# KiCad board Final H00 panelicad_pcb.kicad_pcb (continued)
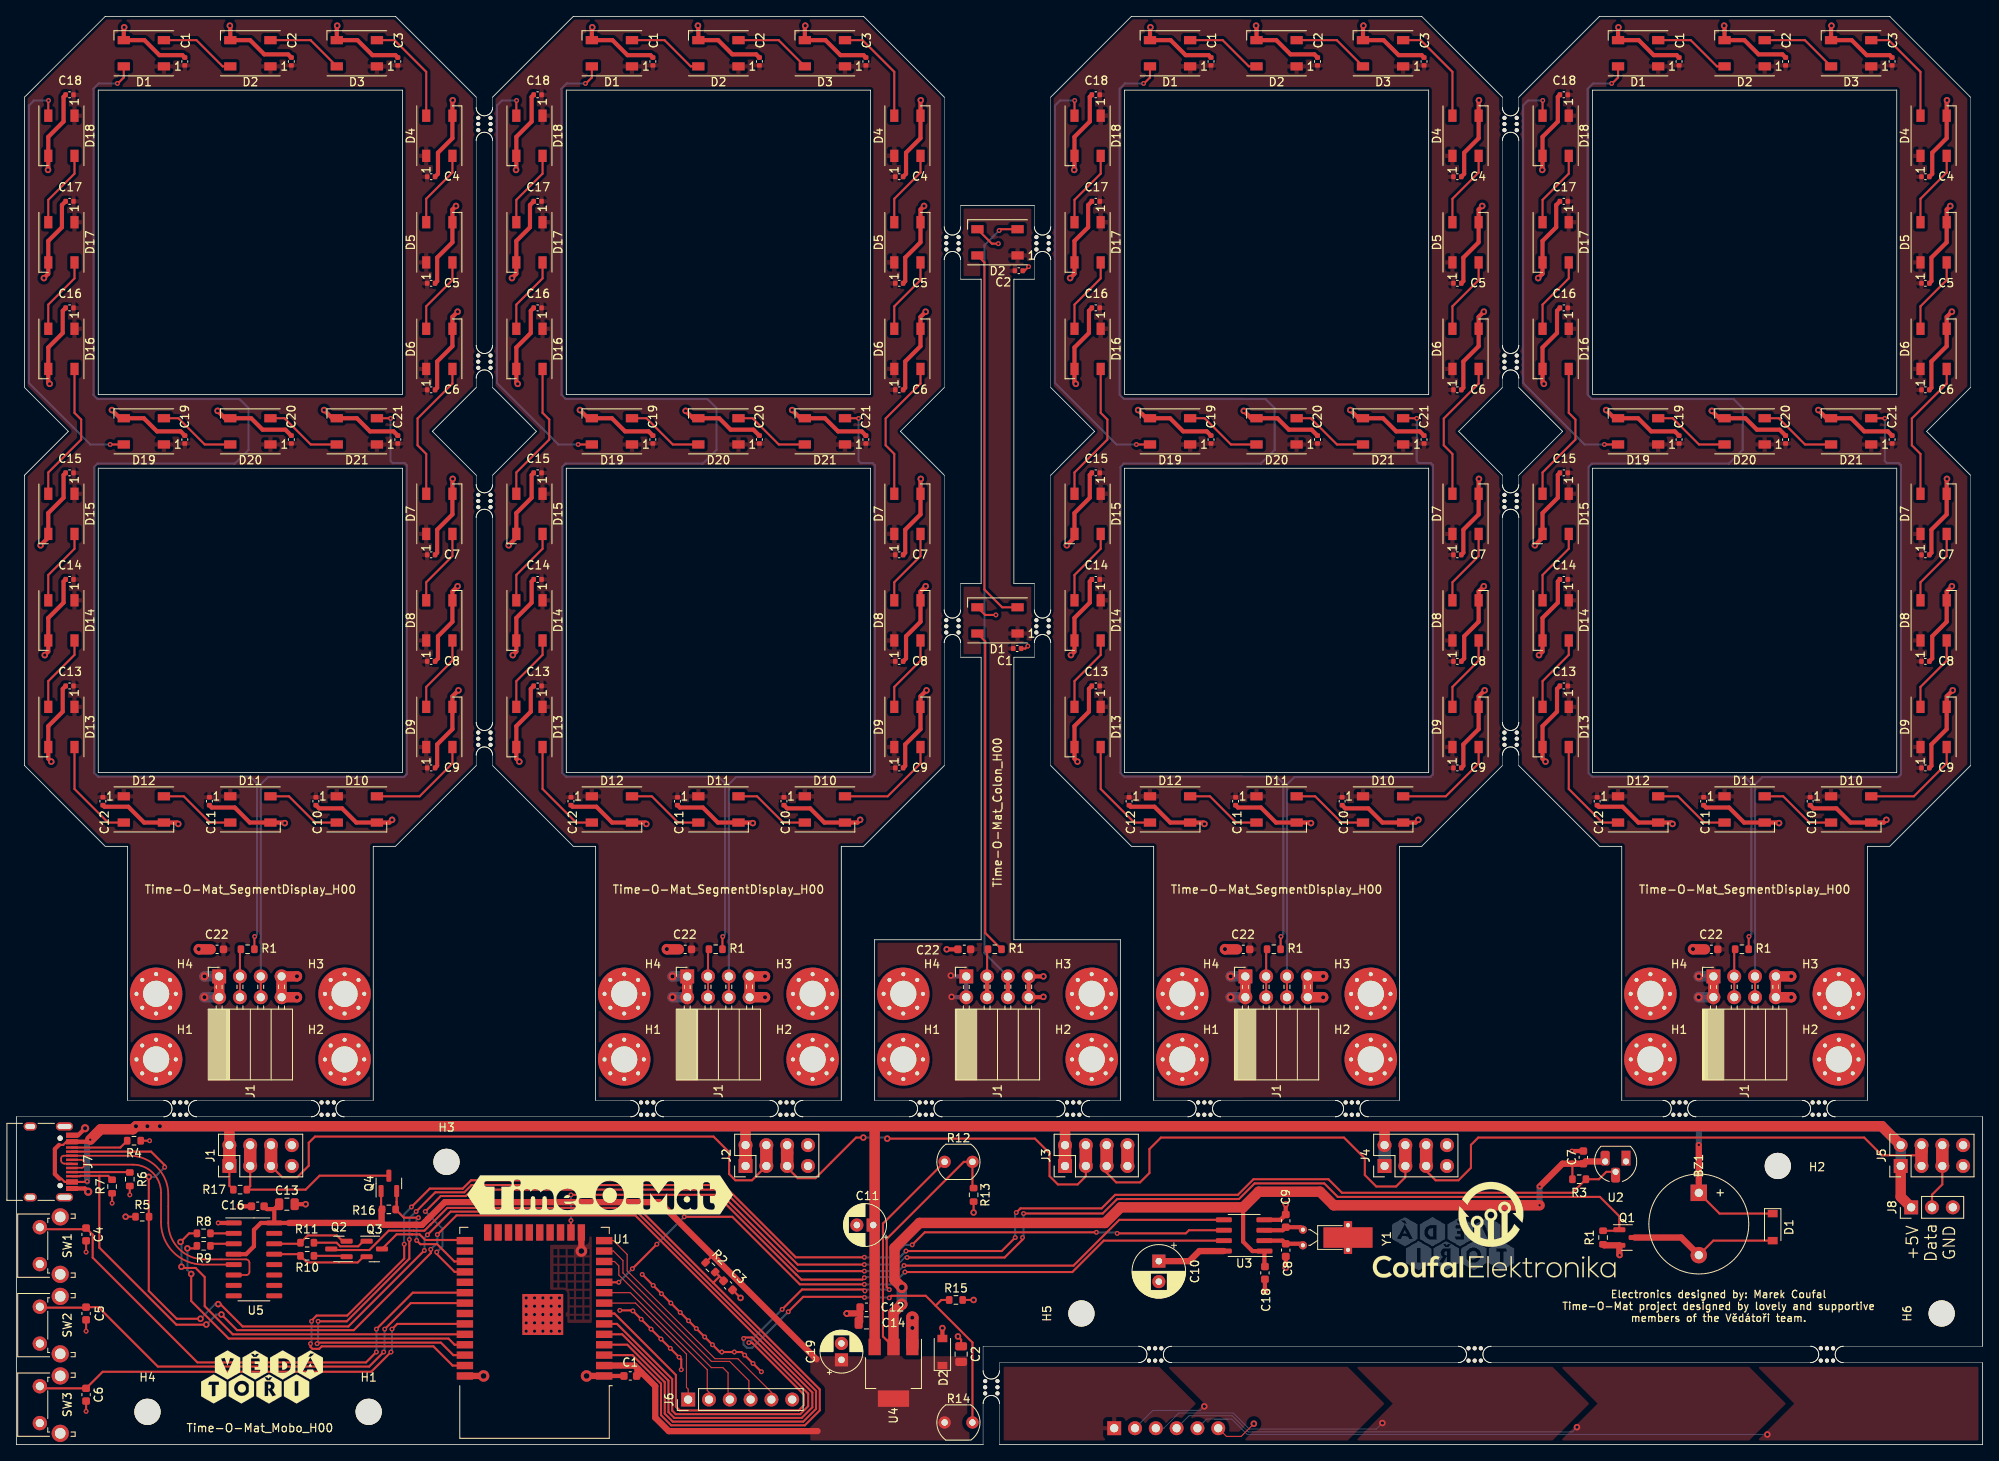
[diagram p0: board, top side]
## Placement (name value [footprint] x y rotation side) (continued)
mouse-bite-2mm-slot#6  VAL**  [mouse-bite-2mm-slot-edgecuts]  163 41 0 top
mouse-bite-2mm-slot#7  VAL**  [mouse-bite-2mm-slot-edgecuts]  57.12 86.13 90 top
mouse-bite-2mm-slot#8  VAL**  [mouse-bite-2mm-slot-edgecuts]  57.12 115.13 90 top
mouse-bite-2mm-slot#9  VAL**  [mouse-bite-2mm-slot-edgecuts]  125.25 99.84 90 top
mouse-bite-2mm-slot#10  VAL**  [mouse-bite-2mm-slot-edgecuts]  221 11 0 top
mouse-bite-2mm-slot#11  VAL**  [mouse-bite-2mm-slot-edgecuts]  38 41 0 top
mouse-bite-2mm-slot#12  VAL**  [mouse-bite-2mm-slot-edgecuts]  182.38 86.13 90 top
mouse-bite-2mm-slot#13  VAL**  [mouse-bite-2mm-slot-edgecuts]  139 11 0 top
mouse-bite-2mm-slot#14  VAL**  [mouse-bite-2mm-slot-edgecuts]  129 41 0 top
mouse-bite-2mm-slot#15  VAL**  [mouse-bite-2mm-slot-edgecuts]  178 11 0 top
mouse-bite-2mm-slot#16  VAL**  [mouse-bite-2mm-slot-edgecuts]  182.38 132.13 90 top
mouse-bite-2mm-slot#17  VAL**  [mouse-bite-2mm-slot-edgecuts]  182.38 161.13 90 top
mouse-bite-2mm-slot#18  VAL**  [mouse-bite-2mm-slot-edgecuts]  119 7 90 top
mouse-bite-2mm-slot#19  VAL**  [mouse-bite-2mm-slot-edgecuts]  57.12 161.13 90 top
mouse-bite-2mm-slot#20  VAL**  [mouse-bite-2mm-slot-edgecuts]  114.25 99.84 90 top
mouse-bite-2mm-slot#21  VAL**  [mouse-bite-2mm-slot-edgecuts]  182.38 115.13 90 top
mouse-bite-2mm-slot#22  VAL**  [mouse-bite-2mm-slot-edgecuts]  114.26 146.58 90 top
mouse-bite-2mm-slot#23  VAL**  [mouse-bite-2mm-slot-edgecuts]  57.12 132.13 90 top
mouse-bite-2mm-slot#24  VAL**  [mouse-bite-2mm-slot-edgecuts]  125.26 146.58 90 top
mouse-bite-2mm-slot#25  VAL**  [mouse-bite-2mm-slot-edgecuts]  220 41 0 top
mouse-bite-2mm-slot#26  VAL**  [mouse-bite-2mm-slot-edgecuts]  203 41 0 top
Q1  2N7002  [SOT-23]  196.6 25.27 0 top
Q2  S8050  [SOT-23]  39.37 23.87 180 top
Q3  S8050  [SOT-23]  43.69 23.87 0 top
Q4  2N7002  [SOT-23]  45.47 31.87 90 top
R1  75R  [R_0603_1608Metric]  85.36 60.44 0 top
R1#2  75R  [R_0603_1608Metric]  28.23 60.44 0 top
R1#3  10K  [R_0603_1608Metric]  193.68 25.27 270 top
R1#4  75R  [R_0603_1608Metric]  153.49 60.44 0 top
R1#5  75R  [R_0603_1608Metric]  210.62 60.44 0 top
R1#6  75R  [R_0603_1608Metric]  119.43 60.44 0 top
R2  10K  [R_0603_1608Metric]  84.71 21.64 315 top
R3  4K7  [R_0603_1608Metric]  190.75 32.38 0 top
R4  5K1  [R_0603_1608Metric]  14.35 37.08 0 top
R5  5K1  [R_0603_1608Metric]  15.37 27.81 0 top
R6  5K1  [R_0603_1608Metric]  13.84 32.38 270 top
R7  5K1  [R_0603_1608Metric]  11.68 31.49 90 top
R8  470R  [R_0603_1608Metric]  22.86 25.78 0 top
R9  470R  [R_0603_1608Metric]  22.86 24.25 0 top
R10  12K  [R_0603_1608Metric]  35.5 23.03 180 top
R11  12K  [R_0603_1608Metric]  35.5 24.63 180 top
R12  R_Photo  [R_LDR_5.1x4.3mm_P3.4mm_Vertical]  113.3 34.5 0 top
R13  10K  [R_0603_1608Metric]  116.84 30.48 270 top
R14  R_Photo  [R_LDR_5.1x4.3mm_P3.4mm_Vertical]  113.3 2.7 0 top
R15  10K  [R_0603_1608Metric]  114.68 17.65 0 top
R16  10K  [R_0603_1608Metric]  45.47 28.7 0 top
R17  10K  [R_0603_1608Metric]  27.3 31.11 0 top
SW1  SW_SPST  [SW_Tactile_SPST_Angled_PTS645Vx83-2LFS]  2.86 22.02 90 top
SW2  SW_SPST  [SW_Tactile_SPST_Angled_PTS645Vx83-2LFS]  2.86 12.32 90 top
SW3  SW_SPST  [SW_Tactile_SPST_Angled_PTS645Vx83-2LFS]  2.86 2.62 90 top
U1  ESP32-WROOM-32D  [ESP32-WROOM-32]  63.25 16.63 180 top
U2  DS18B20  [TO-92_HandSolder]  196.47 34.55 180 top
U3  DS1302ZN+  [SOIC-8_3.9x4.9mm_P1.27mm]  149.86 25.52 180 top
U4  AMS1117-3.3  [SOT-223-3_TabPin2]  107.06 8.76 270 top
U5  CH340G  [SOIC-16_3.9x9.9mm_P1.27mm]  29 22.6 0 top
Y1  Crystal_GND2  [Crystal_DS26_D2.0mm_L6.0mm_Horizontal_1EP_style2]  157.04 24.32 90 top

## Library data of the parts
C1 C1#2-C1#5 C2 C2#2-C2#4 C2#6 C3 C3#2 C3#3 C3#5 C4 C4#3-C4#5 C5#2-C5#5 C6#2-C6#5 C7 C7#2-C7#4 C8 C8#2 C8#4 C8#5 C9 C9#2-C9#4 C10 C10#2-C10#4 C11 C11#2 C11#4 C11#5 C12 C12#2 C12#3 C12#5 C13 C13#2-C13#4 C14 C14#2 C14#4 C14#5 C15 C15#2-C15#4 C16 C16#2-C16#4 C17 C17#2-C17#4 C18 C18#2-C18#4 C19#2-C19#5 C20 C20#2-C20#4 C21 C21#2-C21#4 = -: LCSC: C1525
C1#6 C4#2 C5 C6 C7#5 C12#4 C16#5 C18#5 = -: LCSC: C14663
C2#5 C13#5 C14#3 = -: LCSC: C15850
C3#4 = -: LCSC: C15849
C8#3 C9#5 = -: LCSC: C37474
C11#3 C19 = -: LCSC: C43803
C22 C22#2-C22#5 = -: LCSC: C19702
D1 D1#2-D1#5 D2 D2#2 D2#4-D2#6 D3 D3#2-D3#4 D4 D4#2-D4#4 D5 D5#2-D5#4 D6 D6#2-D6#4 D7 D7#2-D7#4 D8 D8#2-D8#4 D9 D9#2-D9#4 D10 D10#2-D10#4 D11 D11#2-D11#4 D12 D12#2-D12#4 D13 D13#2-D13#4 D14 D14#2-D14#4 D15 D15#2-D15#4 D16 D16#2-D16#4 D17 D17#2-D17#4 D18 D18#2-D18#4 D19 D19#2-D19#4 D20 D20#2-D20#4 D21 D21#2-D21#4 = -: LCSC: C139127
D1#6 D2#3 = -: LCSC: C8598
G2#4 = -: Field4: .
J7 = -: LCSC: C167321
Q1 Q4 = -: LCSC: C8545
Q2 Q3 = -: LCSC: C2146
R1 R1#2 R1#4-R1#6 = -: LCSC: C4275
R1#3 R2 R13 R15-R17 = -: LCSC: C25804
R3 = -: LCSC: C23162
R4-R7 = -: LCSC: C23186
R8 R9 = -: LCSC: C23179
R10 R11 = -: LCSC: C22790
U1 = -: LCSC: C473012
U3 = -: LCSC: C910859
U4 = -: LCSC: C6186
U5 = -: LCSC: C84681

## Footprints (pads in the part's own frame, mm; a bottom-side part is the same pattern mirrored in y, then rotated)
Buzzer_12x9.5RM7.6
  rect 2x2 hole 1: 1(0,0)
  round 2 hole 1: 2(7.6,0)
C_0402_1005Metric
  rrect 0.56x0.62 smd: 1(-0.48,0) 2(0.48,0)
C_0603_1608Metric
  rrect 0.9x0.95 smd: 1(-0.775,0) 2(0.775,0)
C_0805_2012Metric
  rrect 1x1.45 smd: 1(-0.95,0) 2(0.95,0)
CP_Radial_D5.0mm_P2.00mm
  rect 1.6x1.6 hole 0.8: 1(0,0)
  round 1.6 hole 0.8: 2(2,0)
CP_Radial_D6.3mm_P2.50mm
  rect 1.6x1.6 hole 0.8: 1(0,0)
  round 1.6 hole 0.8: 2(2.5,0)
Crystal_DS26_D2.0mm_L6.0mm_Horizontal_1EP_style2
  round 1 hole 0.5: 1(0,0) 2(1.9,0)
  rect 1x1 hole 0.5: 3(-0.55,-5.5) 3(2.45,-5.5)
  rect 2.5x6 smd: 3(0.95,-5.5)
D_SOD-123
  rect 0.9x1.2 smd: 1(-1.65,0) 2(1.65,0)
ESP32-WROOM-32
  rect 2x0.9 smd: 1(-8.5,8.255) 2(-8.5,6.985) 3(-8.5,5.715) 4(-8.5,4.445) 5(-8.5,3.175) 6(-8.5,1.905) 7(-8.5,0.635) 8(-8.5,-0.635) 9(-8.5,-1.905) 10(-8.5,-3.175) 11(-8.5,-4.445) 12(-8.5,-5.715) 13(-8.5,-6.985) 14(-8.5,-8.255) 25(8.5,-8.255) 26(8.5,-6.985) 27(8.5,-5.715) 28(8.5,-4.445) 29(8.5,-3.175) 30(8.5,-1.905) 31(8.5,-0.635) 32(8.5,0.635) 33(8.5,1.905) 34(8.5,3.175) 35(8.5,4.445) 36(8.5,5.715) 37(8.5,6.985) 38(8.5,8.255)
  rect 0.9x2 smd: 15(-5.715,-9.255) 16(-4.445,-9.255) 17(-3.175,-9.255) 18(-1.905,-9.255) 19(-0.635,-9.255) 20(0.635,-9.255) 21(1.905,-9.255) 22(3.175,-9.255) 23(4.445,-9.255) 24(5.715,-9.255)
  rect 5x5 smd: 39(-1,0.755)
LED_WS2812B_PLCC4_5.0x5.0mm_P3.2mm
  rect 1.5x1 smd: 1(-2.45,1.6) 2(-2.45,-1.6) 3(2.45,-1.6) 4(2.45,1.6)
MountingHole_3.2mm_M3
  round 3.2 hole 3.2 unplated: (0,0)
MountingHole_3.2mm_M3_Pad_Via
  round 0.8 hole 0.5: 1(-2.4,0) 1(-1.697,1.697) 1(-1.697,-1.697) 1(0,2.4) 1(0,-2.4) 1(1.697,1.697) 1(1.697,-1.697) 1(2.4,0)
  round 6.4 hole 3.2: 1(0,0)
mouse-bite-2mm-slot-edgecuts
  round 0.5 hole 0.5 unplated: (-0.75,0.75) (-0.75,-0.75) (0,0.75) (0,-0.75) (0.75,0.75) (0.75,-0.75)
PinHeader_1x03_P2.54mm_Vertical
  rect 1.7x1.7 hole 1: 1(0,0)
  oval 1.7x1.7 hole 1: 2(0,-2.54) 3(0,-5.08)
PinHeader_1x06_P2.54mm_Vertical
  rect 1.7x1.7 hole 1: 1(0,0)
  oval 1.7x1.7 hole 1: 2(0,-2.54) 3(0,-5.08) 4(0,-7.62) 5(0,-10.16) 6(0,-12.7)
PinHeader_2x04_P2.54mm_Vertical
  rect 1.7x1.7 hole 1: 1(0,0)
  oval 1.7x1.7 hole 1: 2(2.54,0) 3(0,-2.54) 4(2.54,-2.54) 5(0,-5.08) 6(2.54,-5.08) 7(0,-7.62) 8(2.54,-7.62)
PinSocket_2x04_P2.54mm_Horizontal
  rect 1.7x1.7 hole 1: 1(0,0)
  oval 1.7x1.7 hole 1: 2(-2.54,0) 3(0,-2.54) 4(-2.54,-2.54) 5(0,-5.08) 6(-2.54,-5.08) 7(0,-7.62) 8(-2.54,-7.62)
R_0603_1608Metric
  rrect 0.8x0.95 smd: 1(-0.825,0) 2(0.825,0)
R_LDR_5.1x4.3mm_P3.4mm_Vertical
  round 1.5 hole 0.8: 1(0,0) 2(3.4,0)
SOIC-8_3.9x4.9mm_P1.27mm
  rrect 1.95x0.6 smd: 1(-2.475,1.905) 2(-2.475,0.635) 3(-2.475,-0.635) 4(-2.475,-1.905) 5(2.475,-1.905) 6(2.475,-0.635) 7(2.475,0.635) 8(2.475,1.905)
SOIC-16_3.9x9.9mm_P1.27mm
  rrect 1.95x0.6 smd: 1(-2.475,4.445) 2(-2.475,3.175) 3(-2.475,1.905) 4(-2.475,0.635) 5(-2.475,-0.635) 6(-2.475,-1.905) 7(-2.475,-3.175) 8(-2.475,-4.445) 9(2.475,-4.445) 10(2.475,-3.175) 11(2.475,-1.905) 12(2.475,-0.635) 13(2.475,0.635) 14(2.475,1.905) 15(2.475,3.175) 16(2.475,4.445)
SOT-23
  rrect 1.475x0.6 smd: 1(-0.938,0.95) 2(-0.938,-0.95) 3(0.938,0)
SOT-223-3_TabPin2
  rect 2x1.5 smd: 1(-3.15,2.3) 2(-3.15,0) 3(-3.15,-2.3)
  rect 2x3.8 smd: 2(3.15,0)
SW_Tactile_SPST_Angled_PTS645Vx83-2LFS
  round 2.1 hole 1.3: (-1.25,-2.49) (5.76,-2.49)
  round 1.75 hole 0.99: 1(0,0) 2(4.5,0)
TO-92_HandSolder
  rect 1.1x1.8 hole 0.75: 1(0,0)
  rrect 1.1x1.8 hole 0.75: 2(1.27,1.27) 3(2.54,0)
USB_C_Receptacle_HRO_TYPE-C-31-M-12
  round 0.65 hole 0.65 unplated: (-2.89,2.6) (2.89,2.6)
  rect 0.6x1.45 smd: A1(-3.25,4.045) A4(-2.45,4.045) A9(2.45,4.045) A12(3.25,4.045) B1(3.25,4.045) B4(2.45,4.045) B9(-2.45,4.045) B12(-3.25,4.045)
  rect 0.3x1.45 smd: A5(-1.25,4.045) A6(-0.25,4.045) A7(0.25,4.045) A8(1.25,4.045) B5(1.75,4.045) B6(0.75,4.045) B7(-0.75,4.045) B8(-1.75,4.045)
  oval 1x2.1 hole 0.6x1.7: S1(-4.32,3.13) S1(4.32,3.13)
  oval 1x1.6 hole 0.6x1.2: S1(-4.32,-1.05) S1(4.32,-1.05)

## Nets
+3V3: C1#6.1 C2#5.1 C7#5.1 C13#5.1 C16#5.1 C18#5.1 C19.1 D2#3.1 Q4.1 R2.1 R3.1 R12.1 R14.1 R16.1 U1.2 U2.3 U3.1 U4.2 U5.4 U5.16
+5V: BZ1.1 C1.1 C1#2.1 C1#3.1 C1#4.1 C1#5.1 C2.1 C2#2.1 C2#3.1 C2#4.1 C2#6.1 C3.1 C3#2.1 C3#3.1 C3#5.1 C4.1 C4#3.1 C4#4.1 C4#5.1 C5#2.1 C5#3.1 C5#4.1 C5#5.1 C6#2.1 C6#3.1 C6#4.1 C6#5.1 C7.1 C7#2.1 C7#3.1 C7#4.1 C8.1 C8#2.1 C8#4.1 C8#5.1 C9.1 C9#2.1 C9#3.1 C9#4.1 C10.1 C10#2.1 C10#3.1 C10#4.1 C11.1 C11#2.1 C11#3.1 C11#4.1 C11#5.1 C12.1 C12#2.1 C12#3.1 C12#4.1 C12#5.1 C13.1 C13#2.1 C13#3.1 C13#4.1 C14.1 C14#2.1 C14#3.1 C14#4.1 C14#5.1 C15.1 C15#2.1 C15#3.1 C15#4.1 C16.1 C16#2.1 C16#3.1 C16#4.1 C17.1 C17#2.1 C17#3.1 C17#4.1 C18.1 C18#2.1 C18#3.1 C18#4.1 C19#2.1 C19#3.1 C19#4.1 C19#5.1 C20.1 C20#2.1 C20#3.1 C20#4.1 C21.1 C21#2.1 C21#3.1 C21#4.1 C22.1 C22#2.1 C22#3.1 C22#4.1 C22#5.1 D1.1 D1#2.1 D1#3.1 D1#4.1 D1#5.1 D1#6.1 D2.1 D2#2.1 D2#4.1 D2#5.1 D2#6.1 D3.1 D3#2.1 D3#3.1 D3#4.1 D4.1 D4#2.1 D4#3.1 D4#4.1 D5.1 D5#2.1 D5#3.1 D5#4.1 D6.1 D6#2.1 D6#3.1 D6#4.1 D7.1 D7#2.1 D7#3.1 D7#4.1 D8.1 D8#2.1 D8#3.1 D8#4.1 D9.1 D9#2.1 D9#3.1 D9#4.1 D10.1 D10#2.1 D10#3.1 D10#4.1 D11.1 D11#2.1 D11#3.1 D11#4.1 D12.1 D12#2.1 D12#3.1 D12#4.1 D13.1 D13#2.1 D13#3.1 D13#4.1 D14.1 D14#2.1 D14#3.1 D14#4.1 D15.1 D15#2.1 D15#3.1 D15#4.1 D16.1 D16#2.1 D16#3.1 D16#4.1 D17.1 D17#2.1 D17#3.1 D17#4.1 D18.1 D18#2.1 D18#3.1 D18#4.1 D19.1 D19#2.1 D19#3.1 D19#4.1 D20.1 D20#2.1 D20#3.1 D20#4.1 D21.1 D21#2.1 D21#3.1 D21#4.1 J1.1 J1.2 J1#2.1 J1#2.2 J1#3.1 J1#3.2 J1#4.1 J1#4.2 J1#5.1 J1#5.2 J1#6.1 J1#6.2 J2.1 J2.2 J3.1 J3.2 J4.1 J4.2 J5.1 J5.2 J7.A4 J7.A9 J7.B4 J7.B9 J8.1 R17.1 U4.3
GND: C1.2 C1#2.2 C1#3.2 C1#4.2 C1#5.2 C1#6.2 C2.2 C2#2.2 C2#3.2 C2#4.2 C2#5.2 C2#6.2 C3.2 C3#2.2 C3#3.2 C3#4.1 C3#5.2 C4.2 C4#2.1 C4#3.2 C4#4.2 C4#5.2 C5.1 C5#2.2 C5#3.2 C5#4.2 C5#5.2 C6.1 C6#2.2 C6#3.2 C6#4.2 C6#5.2 C7.2 C7#2.2 C7#3.2 C7#4.2 C7#5.2 C8.2 C8#2.2 C8#3.2 C8#4.2 C8#5.2 C9.2 C9#2.2 C9#3.2 C9#4.2 C9#5.2 C10.2 C10#2.2 C10#3.2 C10#4.2 C10#5.2 C11.2 C11#2.2 C11#3.2 C11#4.2 C11#5.2 C12.2 C12#2.2 C12#3.2 C12#4.2 C12#5.2 C13.2 C13#2.2 C13#3.2 C13#4.2 C13#5.2 C14.2 C14#2.2 C14#3.2 C14#4.2 C14#5.2 C15.2 C15#2.2 C15#3.2 C15#4.2 C16.2 C16#2.2 C16#3.2 C16#4.2 C16#5.2 C17.2 C17#2.2 C17#3.2 C17#4.2 C18.2 C18#2.2 C18#3.2 C18#4.2 C18#5.2 C19.2 C19#2.2 C19#3.2 C19#4.2 C19#5.2 C20.2 C20#2.2 C20#3.2 C20#4.2 C21.2 C21#2.2 C21#3.2 C21#4.2 C22.2 C22#2.2 C22#3.2 C22#4.2 C22#5.2 D1.3 D1#2.3 D1#3.3 D1#4.3 D1#5.3 D2.3 D2#2.3 D2#3.2 D2#4.3 D2#5.3 D2#6.3 D3.3 D3#2.3 D3#3.3 D3#4.3 D4.3 D4#2.3 D4#3.3 D4#4.3 D5.3 D5#2.3 D5#3.3 D5#4.3 D6.3 D6#2.3 D6#3.3 D6#4.3 D7.3 D7#2.3 D7#3.3 D7#4.3 D8.3 D8#2.3 D8#3.3 D8#4.3 D9.3 D9#2.3 D9#3.3 D9#4.3 D10.3 D10#2.3 D10#3.3 D10#4.3 D11.3 D11#2.3 D11#3.3 D11#4.3 D12.3 D12#2.3 D12#3.3 D12#4.3 D13.3 D13#2.3 D13#3.3 D13#4.3 D14.3 D14#2.3 D14#3.3 D14#4.3 D15.3 D15#2.3 D15#3.3 D15#4.3 D16.3 D16#2.3 D16#3.3 D16#4.3 D17.3 D17#2.3 D17#3.3 D17#4.3 D18.3 D18#2.3 D18#3.3 D18#4.3 D19.3 D19#2.3 D19#3.3 D19#4.3 D20.3 D20#2.3 D20#3.3 D20#4.3 D21.3 D21#2.3 D21#3.3 D21#4.3 J1.7 J1.8 J1#2.7 J1#2.8 J1#3.7 J1#3.8 J1#4.7 J1#4.8 J1#5.7 J1#5.8 J1#6.7 J1#6.8 J1#7.6 J2.7 J2.8 J3.7 J3.8 J4.7 J4.8 J5.7 J5.8 J6.6 J7.A1 J7.A12 J7.B1 J7.B12 J8.3 Q1.2 R1#3.2 R4.2 R5.1 R6.2 R7.1 R13.2 R15.2 SW1.1 SW2.1 SW3.1 U1.1 U1.15 U1.38 U1.39 U2.1 U3.4 U4.1 U5.1 Y1.3
/USB+Power/D+: J7.A6 J7.B6 U5.5
/USB+Power/D-: J7.A7 J7.B7 U5.6
/USB+Power/ESP_GPIO0: Q3.3 U1.25
/USB+Power/ESP_RST: C3#4.2 Q2.3 R2.2 U1.3
/USB+Power/ESP_RX: R8.1 U1.34
/USB+Power/ESP_TX: R9.1 U1.35
BUTTON1: C4#2.2 SW1.2 U1.30
BUTTON2: C5.2 SW2.2 U1.31
BUTTON3: C6.2 SW3.2 U1.33
BUZZER: Q1.1 R1#3.1 U1.28
CC1: J7.A5 R5.2 U1.4
CC2: J7.B5 R7.2 U1.5
CE: U1.16 U3.5
IO: U1.37 U3.6
LIGHT1: R12.2 R13.1 U1.7
LIGHT2: R14.2 R15.1 U1.6
SCLK: U1.10 U3.7
TEMPERATURE: R3.2 U1.36 U2.2
TOUCH5: J1#7.5 J6.5 U1.14
TOUCH6: J1#7.4 J6.4 U1.13
TOUCH7: J1#7.3 J6.3 U1.12
TOUCH8: J1#7.2 J6.2 U1.9
TOUCH9: J1#7.1 J6.1 U1.8
WS2812: J1.3 J1.4 Q4.3 R17.2
Net-(BZ1-Pad2): BZ1.2 D1#6.2 Q1.3
Net-(C8-Pad1): C8#3.1 U3.2 Y1.1
Net-(C9-Pad1): C9#5.1 U3.3 Y1.2
Net-(C10-Pad1): C10#5.1 U3.8
Net-(D1-Pad2): D1.2 D1#2.2 D1#3.2 D1#4.2 D1#5.2 D2.4 D2#2.4 D2#4.4 D2#5.4 D2#6.4
Net-(D1-Pad4): D1.4 D1#2.4 D1#3.4 D1#4.4 D1#5.4 R1.2 R1#2.2 R1#4.2 R1#5.2 R1#6.2
Net-(D2-Pad2): D2.2 D2#2.2 D2#4.2 D2#5.2 D2#6.2 D3.4 D3#2.4 D3#3.4 D3#4.4 J1#5.5 J1#5.6
Net-(D3-Pad2): D3.2 D3#2.2 D3#3.2 D3#4.2 D4.4 D4#2.4 D4#3.4 D4#4.4
Net-(D4-Pad2): D4.2 D4#2.2 D4#3.2 D4#4.2 D5.4 D5#2.4 D5#3.4 D5#4.4
Net-(D5-Pad2): D5.2 D5#2.2 D5#3.2 D5#4.2 D6.4 D6#2.4 D6#3.4 D6#4.4
Net-(D6-Pad2): D6.2 D6#2.2 D6#3.2 D6#4.2 D7.4 D7#2.4 D7#3.4 D7#4.4
Net-(D7-Pad2): D7.2 D7#2.2 D7#3.2 D7#4.2 D8.4 D8#2.4 D8#3.4 D8#4.4
Net-(D8-Pad2): D8.2 D8#2.2 D8#3.2 D8#4.2 D9.4 D9#2.4 D9#3.4 D9#4.4
Net-(D10-Pad2): D10.2 D10#2.2 D10#3.2 D10#4.2 D11.4 D11#2.4 D11#3.4 D11#4.4
Net-(D10-Pad4): D9.2 D9#2.2 D9#3.2 D9#4.2 D10.4 D10#2.4 D10#3.4 D10#4.4
Net-(D11-Pad2): D11.2 D11#2.2 D11#3.2 D11#4.2 D12.4 D12#2.4 D12#3.4 D12#4.4
Net-(D12-Pad2): D12.2 D12#2.2 D12#3.2 D12#4.2 D13.4 D13#2.4 D13#3.4 D13#4.4
Net-(D13-Pad2): D13.2 D13#2.2 D13#3.2 D13#4.2 D14.4 D14#2.4 D14#3.4 D14#4.4
Net-(D14-Pad2): D14.2 D14#2.2 D14#3.2 D14#4.2 D15.4 D15#2.4 D15#3.4 D15#4.4
Net-(D15-Pad2): D15.2 D15#2.2 D15#3.2 D15#4.2 D16.4 D16#2.4 D16#3.4 D16#4.4
Net-(D16-Pad2): D16.2 D16#2.2 D16#3.2 D16#4.2 D17.4 D17#2.4 D17#3.4 D17#4.4
Net-(D17-Pad2): D17.2 D17#2.2 D17#3.2 D17#4.2 D18.4 D18#2.4 D18#3.4 D18#4.4
Net-(D18-Pad2): D18.2 D18#2.2 D18#3.2 D18#4.2 D19.4 D19#2.4 D19#3.4 D19#4.4
Net-(D19-Pad2): D19.2 D19#2.2 D19#3.2 D19#4.2 D20.4 D20#2.4 D20#3.4 D20#4.4
Net-(D20-Pad2): D20.2 D20#2.2 D20#3.2 D20#4.2 D21.4 D21#2.4 D21#3.4 D21#4.4
Net-(D21-Pad2): D21.2 D21#2.2 D21#3.2 D21#4.2 J1#2.5 J1#2.6 J1#3.5 J1#3.6 J1#4.5 J1#4.6 J1#6.5 J1#6.6
Net-(J1-Pad3): J1#2.3 J1#2.4 J1#3.3 J1#3.4 J1#4.3 J1#4.4 J1#5.3 J1#5.4 J1#6.3 J1#6.4 R1.1 R1#2.1 R1#4.1 R1#5.1 R1#6.1
Net-(J1-Pad5): J1.5 J1.6 J2.3 J2.4
Net-(J2-Pad5): J2.5 J2.6 J3.3 J3.4
Net-(J3-Pad5): J3.5 J3.6 J4.3 J4.4
Net-(J4-Pad5): J4.5 J4.6 J5.3 J5.4
Net-(J5-Pad5): J5.5 J5.6 J8.2
Net-(J7-PadA8): J7.A8 R6.1
Net-(J7-PadB8): J7.B8 R4.1
Net-(Q2-Pad1): Q2.1 R10.1
Net-(Q2-Pad2): Q2.2 R11.2 U5.14
Net-(Q3-Pad1): Q3.1 R11.1
Net-(Q3-Pad2): Q3.2 R10.2 U5.13
Net-(Q4-Pad2): Q4.2 R16.2 U1.27
Net-(R8-Pad2): R8.2 U5.2
Net-(R9-Pad2): R9.2 U5.3

Pads without a net: H1 1; H1#2 1; H1#4 1; H1#5 1; H1#6 1; H2 1; H2#2 1; H2#3 1; H2#4 1; H2#5 1; H3 1; H3#2 1; H3#3 1; H3#4 1; H3#6 1; H4 1; H4#2 1; H4#4 1; H4#5 1; H4#6 1; J7 S1; U1 11 17 18 19 20 21 22 23 24 26 29 32; U5 7 8 9 10 11 12 15

## Via types
v1: diameter 1, hole 0.5, Top to Bottom, 27 vias
v2: diameter 0.6, hole 0.3, Top to Bottom, 114 vias
v3: diameter 0.8, hole 0.4, Top to Bottom, 142 vias
v4: diameter 1.4, hole 0.7, Top to Bottom, 5 vias

## Routing (per net, layer and track width the routed paths; a pad name or vN(x,y) marks a point on that pad's centre or on a via; arc(x,y) is an arc through that point)
+3V3: length 269.6
  Top w0.254: R16.1 44.52,28.82 Q4.1 ; R2.1 84.99,23.08 ; R12.1 105.77,26.97 105.77,13.2 U4.2 ; R3.1 189.93,34.2 189.85,34.27
  Top w0.508: U5.4 28.04,23.23 29,24.2 29,26.2 29.84,27.05 31.48,27.05 ; 31.48,27.05 33.27,27.05 ; 31.48,27.05 31.48,28.74 ; C18#5.1 152.34,21.79 U3.1 150.88,23.62 149.73,24.76 149.73,28.95 ; 30.24,29.08 30.58,28.74 31.48,28.74 ; 31.48,28.74 C13#5.1 ; 76.34,8.77 75.95,8.38 75.7,8.38 75.7,9.02 75.9,9.22
  Top w0.762: U1.2 75.47,9.65 77.98,7.14 77.98,3.3 79.63,1.65 97.79,1.65 ; 33.27,27.05 44.58,27.05 ; R16.1 44.58,28.63 44.58,27.05 ; v2(185.93,31.49) 188.71,34.27 C7#5.1 191.54,34.55 U2.3 ; 97.66,10.41 78.49,29.59 52.3,29.59 50.28,27.56 50.27,27.56 49.52,26.81 48.78,26.81 48.77,26.82 44.81,26.82 44.58,27.05
  Top w1.27: U4.2 107.06,16.11 v4(108.08,17.13) ; v4(108.08,19.18) 107.19,20.07 107.19,24 110.24,27.05 132.88,27.05 134.78,28.95 149.73,28.95 151.64,30.86 159.13,30.86 160.78,29.2 v2(185.93,29.2)
  Bottom w0.762: v2(185.93,31.49) v2(185.93,29.2)
  Bottom w1.27: v4(108.08,17.13) v4(108.08,19.18)
+5V: length 580.3
  Top w0.254: BZ1.1 207.89,28.19 D1#6.1 ; J1.1 26,31.59 R17.1 ; 5.21,36.57 5.71,36.57 6.09,36.95 J7.A4 ; v2(8.64,32.13) 8.56,32.05 J7.A9 5.89,32.05 5.5,32.44 5.28,32.44
  Top w0.508: J7.A4 8.76,36.95 v2(9.02,37.21) ; 5.28,32.44 4.7,33.02 4.7,36.06 5.21,36.57
  Top w0.762: BZ1.1 v2(205.36,36.57)
  Top w1.27: 25.75,38.85 89.05,38.85 ; 25.75,38.85 v1(14.6,38.85) 14.22,38.48 10.29,38.48 v2(9.02,37.21) ; 25.75,38.85 26,38.6 J1.2 ; 89.05,38.85 89,38.8 J2.2 ; 89.05,38.85 104.66,38.85 ; 104.66,38.85 104.76,38.74 104.76,11.91 ; 104.66,38.85 127.95,38.85 ; 127.95,38.85 128,38.8 J3.2 ; 127.95,38.85 167.05,38.85 ; 167.05,38.85 167,38.8 J4.2 ; 167.05,38.85 227.69,38.85 J5.2 ; J1#6.1 J1#6.2 ; J8.1 230,30.23 J5.1 ; J1#3.1 J1#3.2 ; J1#4.1 J1#4.2 ; J1#2.1 J1#2.2
  Top w1.524: J1.1 J1.2 ; J3.1 J3.2 ; J2.1 J2.2
  Bottom w0.508: v3(114.06,57.23) 114.16,57.13 J1#5.1 J1#5.2 114.2,54.59 v3(114.16,54.63)
  Bottom w0.762: v2(9.02,37.21) 8.64,36.83 v2(8.64,32.13) ; v2(205.36,36.57) 205.36,38.84 205.37,38.85
  Bottom w1.27: J1#3.1 205.35,57.13 v1(205.35,57.13) ; 167.45,38.85 167,38.4 J4.2 ; 167.45,38.85 127.75,38.85 ; 167.45,38.85 227.69,38.85 J5.2 J5.1 ; 88.95,38.85 127.75,38.85 ; 88.95,38.85 89,38.8 J2.1 ; 88.95,38.85 25.95,38.85 ; 127.75,38.85 128,38.6 J3.1 ; J1#4.1 22.96,57.13 v1(22.96,57.13) ; v1(22.96,54.59) 22.96,54.59 J1#4.2 ; J1#2.2 80.09,54.59 v1(80.09,54.59) ; v1(205.35,54.59) 205.35,54.59 J1#3.2 ; v1(14.6,38.85) 25.95,38.85 ; 25.95,38.85 26,38.8 J1.1 ; v1(148.22,57.13) 148.22,57.13 J1#6.1 ; v1(148.22,54.59) 148.22,54.59 J1#6.2 ; J1#2.1 80.09,57.13 v1(80.09,57.13)
  Bottom w1.524: J4.1 J4.2
  vias: v1(15.99,38.85) v1(17.52,38.85)
GND: length 998.5
  Top w0.127: J1#7.6 147.7,1 149.49,1 v3(151.05,2.55)
  Top w0.254: C2#2.2 123.06,143.23 v2(123.56,143.73) ; R13.2 v3(116.84,28.32) ; D2#5.3 119.07,146.53 v2(119.86,146.53) ; v3(114.93,13.2) 115.32,12.81 C2#5.2 ; v2(81.15,9.14) 81.15,10.41 v2(80.9,10.66) v2(79.82,11.74) v2(78.68,12.89) v2(77.47,14.09) v2(76.26,15.3) v2(75.25,16.31) 75.18,16.38 v2(73.66,16.38) ; R4.2 v2(16.26,37.08) ; R7.1 v2(11.68,29.46) ; D1.3 118.24,101.23 v2(119.56,101.23) ; R5.1 v3(13.34,27.81) ; R15.2 v3(116.84,17.65) ; C6.1 v2(8.51,4.06) ; C5.1 v2(8.51,13.84) ; R6.2 v2(13.84,30.48) ; v2(90.93,8.89) v2(89.92,9.9) v2(88.9,10.92) 88.52,11.3 v2(87.63,11.3) v2(86.11,11.3) 85.85,11.3 v2(84.96,12.19) v2(84.01,13.14) v2(82.99,14.16) v2(82.04,15.11) v2(81.03,16.12) v2(79.88,17.27) v2(78.74,18.41) v2(77.72,19.43) v2(76.39,20.76) 76.33,20.82 ; C3#4.1 v3(88.39,17.9) ; C4#2.1 v2(8.51,23.49) ; C1.2 123.16,97.13 v2(123.46,97.43)
  Top w0.508: v1(8.38,38.6) 7.53,37.75 J7.A1 ; v3(96.29,173.13) 96.24,173.08 D3#4.3 98.76,171.36 100.59,169.53 103.4,169.53 C3.2 ; v3(13.16,172.93) 13.11,172.88 D1#4.3 15.63,171.36 17.46,169.53 20.27,169.53 C1#3.2 ; v3(53.86,104.73) 53.22,104.1 D8#2.3 53.22,100.4 51.46,98.63 51.46,95.92 C8#5.2 ; v3(94.69,126.23) 95.69,125.23 D21.3 98.69,125.23 100.29,123.63 103.17,123.63 C21#3.2 ; C9#3.2 176.62,82.82 176.62,85.43 178.48,87.3 D9#4.3 178.48,91.3 v3(179.22,92.03) ; v3(236.25,138.23) 235.62,137.6 D6#2.3 235.62,134.02 233.75,132.16 233.75,128.95 C6#2.2 ; v3(19.76,75.73) 19.59,75.9 D12#3.3 15.59,75.9 13.66,77.83 10.75,77.83 C12.2 ; C13#4.2 130.92,92.21 130.92,89.43 129.15,87.67 D13#3.3 129.15,83.7 v3(129.52,83.33) ; v3(215.15,75.83) 215.08,75.9 D11#4.3 210.88,75.9 209.05,77.73 206.24,77.73 C11#5.2 ; v3(128.72,96.33) 129.15,96.77 D14#2.3 129.15,100.87 131.02,102.73 131.02,105.31 C14#5.2 ; C4.2 233.85,155.05 233.85,157.63 235.62,159.4 D4.3 235.62,164 v3(235.65,164.03) ; C17#4.2 5.56,151.24 5.56,148.53 3.89,146.87 3.89,142.87 v3(3.36,142.33) ; C4#3.2 108.59,155.05 108.59,157.63 110.36,159.4 D4#2.3 110.36,164 v3(110.39,164.03) ; v3(202.15,75.73) 201.98,75.9 D12#4.3 197.98,75.9 196.05,77.83 193.14,77.83 C12#3.2 ; C19#2.2 77.17,123.63 74.29,123.63 72.69,125.23 D19#4.3 69.79,125.23 v3(68.79,126.23) ; C9#2.2 51.36,82.82 51.36,85.43 53.22,87.3 D9.3 53.22,91.3 v3(53.96,92.03) ; v3(185.75,142.33) 186.28,142.87 D17.3 186.28,146.87 187.95,148.53 187.95,151.24 C17.2 ; v3(110.39,117.83) 110.36,117.8 D7#3.3 110.36,113.5 108.49,111.63 108.49,108.82 C7#3.2 ; C5#3.2 51.36,141.95 51.36,144.83 53.22,146.7 D5#3.3 53.22,150.7 v3(53.66,151.13) ; v3(2.96,109.73) 3.89,110.67 3.89,113.67 5.76,115.53 5.76,118.31 C15#2.2 ; v3(185.85,96.33) 186.28,96.77 D14.3 186.28,100.87 188.15,102.73 188.15,105.31 C14.2 ; C11#4.2 149.11,77.73 151.92,77.73 153.75,75.9 D11#2.3 157.95,75.9 v3(158.02,75.83) ; C11.2 80.98,77.73 83.79,77.73 85.62,75.9 D11.3 89.82,75.9 v3(89.89,75.83) ; v2(24.64,27.05) 24.64,27.05 26.52,27.05 ; v3(53.26,164.03) 53.22,164 D4#3.3 53.22,159.4 51.46,157.63 51.46,155.05 C4#4.2 ; v3(186.65,83.33) 186.28,83.7 D13.3 186.28,87.67 188.05,89.43 188.05,92.21 C13#2.2 ; v3(102.99,76.23) 102.66,75.9 D10#3.3 98.62,75.9 96.89,77.63 94.08,77.63 C10#2.2 ; C15#4.2 131.02,118.31 131.02,115.53 129.15,113.67 D15#4.3 129.15,110.67 v3(128.22,109.73) ; v3(151.32,173.13) 151.37,173.08 D2.3 153.79,171.36 155.52,169.63 158.43,169.63 C2#4.2 ; v3(136.92,126.23) 137.92,125.23 D19#3.3 140.82,125.23 142.42,123.63 145.3,123.63 C19#4.2 ; v3(171.12,76.23) 170.79,75.9 D10#4.3 166.75,75.9 165.02,77.63 162.21,77.63 C10#3.2 ; v3(178.52,164.03) 178.48,164 D4#4.3 178.48,159.4 176.72,157.63 176.72,155.05 C4#5.2 ; v3(178.52,117.83) 178.48,117.8 D7.3 178.48,113.5 176.62,111.63 176.62,108.82 C7#4.2 ; v3(236.05,151.13) 235.62,150.7 D5.3 235.62,146.7 233.75,144.83 233.75,141.95 C5#4.2 ; C5#2.2 176.62,141.95 176.62,144.83 178.48,146.7 D5#2.3 178.48,150.7 v3(178.92,151.13) ; C9#4.2 233.75,82.82 233.75,85.43 235.62,87.3 D9#3.3 235.62,91.3 v3(236.35,92.03) ; v3(125.36,57.13) 125.35,57.13 J1#5.7 J1#5.8 125.31,54.59 v3(125.36,54.63) ; v3(164.42,173.13) 164.37,173.08 D3.3 166.89,171.36 168.72,169.53 171.53,169.53 C3#2.2 ; C9.2 108.49,82.82 108.49,85.43 110.36,87.3 D9#2.3 110.36,91.3 v3(111.09,92.03) ; C11#2.2 23.85,77.73 26.66,77.73 28.49,75.9 D11#3.3 32.69,75.9 v3(32.76,75.83) ; C22#2.2 v3(113.56,60.43) ; C20#3.2 215.23,123.83 212.45,123.83 211.05,125.23 D20.3 207.85,125.23 v3(206.95,126.13) ; v3(129.32,129.43) 129.15,129.6 D16#4.3 129.15,133.87 130.92,135.63 130.92,138.34 C16#2.2 ; C15.2 62.89,118.31 62.89,115.53 61.02,113.67 D15.3 61.02,110.67 v3(60.09,109.73) ; C15#3.2 188.15,118.31 188.15,115.53 186.28,113.67 D15#2.3 186.28,110.67 v3(185.35,109.73) ; v3(208.45,173.13) 208.5,173.08 D2#6.3 210.92,171.36 212.65,169.63 215.56,169.63 C2.2 ; C14#4.2 5.76,105.31 5.76,102.73 3.89,100.87 3.89,96.77 v3(3.46,96.33) ; C21#4.2 171.3,123.63 168.42,123.63 166.82,125.23 D21#3.3 163.82,125.23 v3(162.82,126.23) ; v3(149.82,126.13) 150.72,125.23 D20#4.3 153.92,125.23 155.32,123.83 158.1,123.83 C20#2.2 ; v3(194.05,126.23) 195.05,125.23 D19#2.3 197.95,125.23 199.55,123.63 202.43,123.63 C19#3.2 ; C19#5.2 20.04,123.63 17.16,123.63 15.56,125.23 D19.3 12.66,125.23 v3(11.66,126.23) ; v3(145.02,75.73) 144.85,75.9 D12.3 140.85,75.9 138.92,77.83 136.01,77.83 C12#5.2 ; v3(186.45,129.43) 186.28,129.6 D16#3.3 186.28,133.87 188.05,135.63 188.05,138.34 C16#4.2 ; C1#2.2 77.4,169.53 74.59,169.53 72.76,171.36 D1#2.3 70.24,172.88 v3(70.29,172.93) ; C21.2 46.04,123.63 43.16,123.63 41.56,125.23 D21#4.3 38.56,125.23 v3(37.56,126.23) ; v3(60.49,142.33) 61.02,142.87 D17#2.3 61.02,146.87 62.69,148.53 62.69,151.24 C17#3.2 ; C21#2.2 228.43,123.63 225.55,123.63 223.95,125.23 D21#2.3 220.95,125.23 v3(219.95,126.23) ; v3(138.42,172.93) 138.37,172.88 D1#5.3 140.89,171.36 142.72,169.53 145.53,169.53 C1#4.2 ; C13.2 62.79,92.21 62.79,89.43 61.02,87.67 D13#2.3 61.02,83.7 v3(61.39,83.33) ; C8#2.2 176.72,95.92 176.72,98.63 178.48,100.4 D8.3 178.48,104.1 v3(179.12,104.73) ; C13#3.2 5.66,92.21 5.66,89.43 3.89,87.67 3.89,83.7 v3(4.26,83.33) ; C1#5.2 202.66,169.53 199.85,169.53 198.02,171.36 D1#3.3 195.5,172.88 v3(195.55,172.93) ; C10#4.2 36.95,77.63 39.76,77.63 41.49,75.9 D10#2.3 45.53,75.9 v3(45.86,76.23) ; C14#2.2 62.89,105.31 62.89,102.73 61.02,100.87 D14#3.3 61.02,96.77 v3(60.59,96.33) ; C18.2 5.76,164.44 5.76,161.43 3.89,159.57 3.89,155.57 v3(3.86,155.53) ; v3(76.89,75.73) 76.72,75.9 D12#2.3 72.72,75.9 70.79,77.83 67.88,77.83 C12#2.2 ; v3(221.55,173.13) 221.5,173.08 D3#2.3 224.02,171.36 225.85,169.53 228.66,169.53 C3#3.2 ; v3(53.86,138.23) 53.22,137.6 D6#3.3 53.22,134.02 51.36,132.16 51.36,128.95 C6#3.2 ; C7#2.2 233.75,108.82 233.75,111.63 235.62,113.5 D7#4.3 235.62,117.8 v3(235.65,117.83) ; v3(39.16,173.13) 39.11,173.08 D3#3.3 41.63,171.36 43.46,169.53 46.27,169.53 C3#5.2 ; C2#6.2 90.3,169.63 87.39,169.63 85.66,171.36 D2#4.3 83.24,173.08 v3(83.19,173.13) ; C20.2 32.84,123.83 30.06,123.83 28.66,125.23 D20#2.3 25.46,125.23 v3(24.56,126.13) ; C8#3.2 v3(154.94,21.59) ; v3(81.69,126.13) 82.59,125.23 D20#3.3 85.79,125.23 87.19,123.83 89.97,123.83 C20#4.2 ; C8.2 233.85,95.92 233.85,98.63 235.62,100.4 D8#4.3 235.62,104.1 v3(236.25,104.73) ; C1#6.2 71.75,8.38 ; C18#2.2 62.89,164.44 62.89,161.43 61.02,159.57 D18#2.3 61.02,155.57 v3(60.99,155.53) ; v3(53.26,117.83) 53.22,117.8 D7#2.3 53.22,113.5 51.36,111.63 51.36,108.82 C7.2 ; C7#5.2 189.88,35.82 v2(189.87,35.81) ; v3(186.25,155.53) 186.28,155.57 D18.3 186.28,159.57 188.15,161.43 188.15,164.44 C18#4.2 ; C10.2 219.34,77.63 222.15,77.63 223.88,75.9 D10.3 227.92,75.9 v3(228.25,76.23) ; v3(129.12,155.53) 129.15,155.57 D18#4.3 129.15,159.57 131.02,161.43 131.02,164.44 C18#3.2 ; v1(8.76,30.86) 8.37,31.25 J7.A12 ; v3(110.99,104.73) 110.36,104.1 D8#3.3 110.36,100.4 108.59,98.63 108.59,95.92 C8#4.2 ; v3(26.06,173.13) 26.11,173.08 D2#2.3 28.53,171.36 30.26,169.63 33.17,169.63 C2#3.2 ; C5#5.2 108.49,141.95 108.49,144.83 110.36,146.7 D5#4.3 110.36,150.7 v3(110.79,151.13) ; C17#2.2 130.82,151.24 130.82,148.53 129.15,146.87 D17#3.3 129.15,142.87 v3(128.62,142.33) ; C16#3.2 5.66,138.34 5.66,135.63 3.89,133.87 3.89,129.6 v3(4.06,129.43) ; v3(154.94,29.33) C9#5.2 154.29,27.43 U3.4 ; D2#3.2 v3(113.03,14.22) ; C6#5.2 108.49,128.95 108.49,132.16 110.36,134.02 D6.3 110.36,137.6 v3(110.99,138.23) ; C16.2 62.79,138.34 62.79,135.63 61.02,133.87 D16#2.3 61.02,129.6 v3(61.19,129.43) ; C6#4.2 176.62,128.95 176.62,132.16 178.48,134.02 D6#4.3 178.48,137.6 v3(179.12,138.23) ; C18#5.2 v3(152.4,18.79) ; C16#5.2 v3(27.3,29.08) ; C13#5.2 v3(35.31,29.33)
  Top w0.762: 102.98,16.01 102.98,15.03 C14#3.2 ; 102.98,16.01 101.36,16.01 v3(101.35,16) ; 102.98,16.01 C12#4.2 ; v2(195.71,23.11) 195.66,23.16 Q1.2 193.8,24.32 R1#3.2 ; 54.75,8.38 v4(57.02,8.38) ; 71.75,8.38 v4(69.6,8.38) ; U1.15 v4(68.96,23.62)
  Top w1.27: C22.2 147.55,60.43 v1(147.52,60.46) ; v1(216.64,54.58) 216.63,54.59 J1#3.8 J1#3.7 216.63,57.13 v1(216.64,57.14) ; v1(204.65,60.46) 204.68,60.43 C22#3.2 ; v1(91.38,57.14) 91.37,57.13 J1#2.7 J1#2.8 91.37,54.59 v1(91.38,54.58) ; v1(79.39,60.46) 79.42,60.43 C22#4.2 ; C22#5.2 22.29,60.43 v1(22.26,60.46) ; v1(34.25,57.14) 34.24,57.13 J1#4.7 J1#4.8 34.24,54.59 v1(34.25,54.58) ; v1(159.51,54.58) 159.5,54.59 J1#6.8 J1#6.7 159.5,57.13 v1(159.51,57.14)
  Top w1.524: U4.1 109.36,15.48 v1(109.35,15.49) ; J3.8 J3.7
  vias: v1(109.36,14.23) v3(62.23,17.9) v3(62.23,16.89) v3(62.23,15.87) v3(62.23,14.85) v3(62.23,13.84) v3(63.25,17.9) v3(63.25,16.89) v3(63.25,15.87) v3(63.25,14.85) v3(63.25,13.84) v3(64.26,17.9) v3(64.26,16.89) v3(64.26,15.87) v3(64.26,14.85) v3(64.26,13.84) v3(65.28,17.9) v3(65.28,16.89) v3(65.28,15.87) v3(65.28,14.85) v3(65.28,13.84) v3(66.29,17.9) v3(66.29,16.89) v3(66.29,15.87) v3(66.29,14.85) v3(66.29,13.84)
/USB+Power/D+: length 30.5
  Top w0.203: 8.26,34.16 8.26,34.41 arc(8.16,34.65) 7.92,34.75 J7.A6 ; 8.26,34.16 14.25,34.16 arc(16.66,33.16) 17.65,30.75 17.65,27.12 arc(19.16,23.47) 22.8,21.96 U5.5 ; 8.26,34.16 8.26,34.03 arc(8.18,33.85) 8,33.78 6.81,33.78 arc(6.79,33.77) J7.B6
/USB+Power/D-: length 37.2
  Top w0.203: U5.6 28.08,20.7 arc(28.34,20.8) 28.45,21.06 28.45,22.19 arc(28.33,22.48) 28.03,22.6 22.96,22.6 arc(19.84,23.9) 18.54,27.02 18.54,30.52 arc(17.16,33.86) 13.81,35.25 J7.B7 5.79,35.25 arc(5.56,35.15) 5.46,34.92 5.46,34.67 arc(5.57,34.4) 5.84,34.28 6.75,34.28 arc(6.77,34.27) J7.A7
/USB+Power/ESP_GPIO0: length 11.2
  Top w0.254: U1.25 54.67,24.97 49.91,24.97 49.23,25.65 48.3,25.65 48.29,25.66 46.41,25.66 Q3.3
/USB+Power/ESP_RST: length 109.1
  Top w0.254: 85.05,19.74 75.92,28.88 52.59,28.88 50.57,26.85 50.56,26.85 49.81,26.1 48.49,26.1 48.48,26.11 45.45,26.11 43.08,23.74 38.56,23.74 Q2.3 ; 85.05,19.74 85.75,20.44 85.75,20.59 ; 85.05,19.74 98.06,6.73 98.06,4.18 96.24,2.35 79.92,2.35 78.69,3.59 78.69,7.43 75.2,10.92 U1.3 ; 85.75,20.59 R2.2 ; 85.75,20.59 86.32,20.02 C3#4.2
/USB+Power/ESP_RX: length 45.6
  Top w0.254: v3(20.04,24.73) 21.09,25.78 R8.1 ; U1.34 26.42,13.46 22.99,16.89 22.99,20.44 21.88,21.55 20.3,21.55 v3(20.15,21.7)
  Bottom w0.254: v3(20.15,21.7) 20.15,24.62 v3(20.04,24.73)
/USB+Power/ESP_TX: length 43.5
  Top w0.254: v3(20.87,23.94) 21.73,23.94 R9.1 ; v3(21.34,20.82) 21.34,17.52 25.92,12.94 52.74,12.94 53.49,12.19 U1.35
  Bottom w0.254: v3(20.87,23.94) 20.87,21.29 v3(21.34,20.82)
BUTTON1: length 65.5
  Top w0.254: 54.75,18.54 48.39,18.54 v2(43.94,14.09) ; 3.05,26.54 3.3,26.28 8.37,26.28 C4#2.2 9.31,25.62 9.31,22.82 22.1,10.03 42.67,10.03 v2(43.94,11.3)
  Bottom w0.254: v2(43.94,14.09) v2(43.94,11.3)
BUTTON2: length 59.7
  Top w0.254: v2(44.83,11.3) 43.05,9.52 17.27,9.52 10.02,16.77 C5.2 8.45,16.71 2.98,16.71 SW2.2 ; v2(44.96,14.09) 48.13,17.27 U1.31
  Bottom w0.254: v2(44.83,11.3) 44.96,11.43 v2(44.96,14.09)
BUTTON3: length 56.8
  Top w0.254: v2(45.85,14.09) 46.48,14.73 U1.33 ; SW3.2 3.12,6.87 C6.2 10.53,8.89 43.31,8.89 v2(45.72,11.3)
  Bottom w0.254: v2(45.85,14.09) 45.85,11.43 v2(45.72,11.3)
